# Altium PCB JS.Y1813.MCU.V1.0.PcbDoc (part 1 of 2)
Units mm, origin at the board's own origin, x right, y up, seen from the top; angles counter-clockwise.
Board outline 125 x 78 mm, 2 copper layers (Top Layer, Bottom Layer); 192 components, 124 nets, 655 pads, 279 vias.
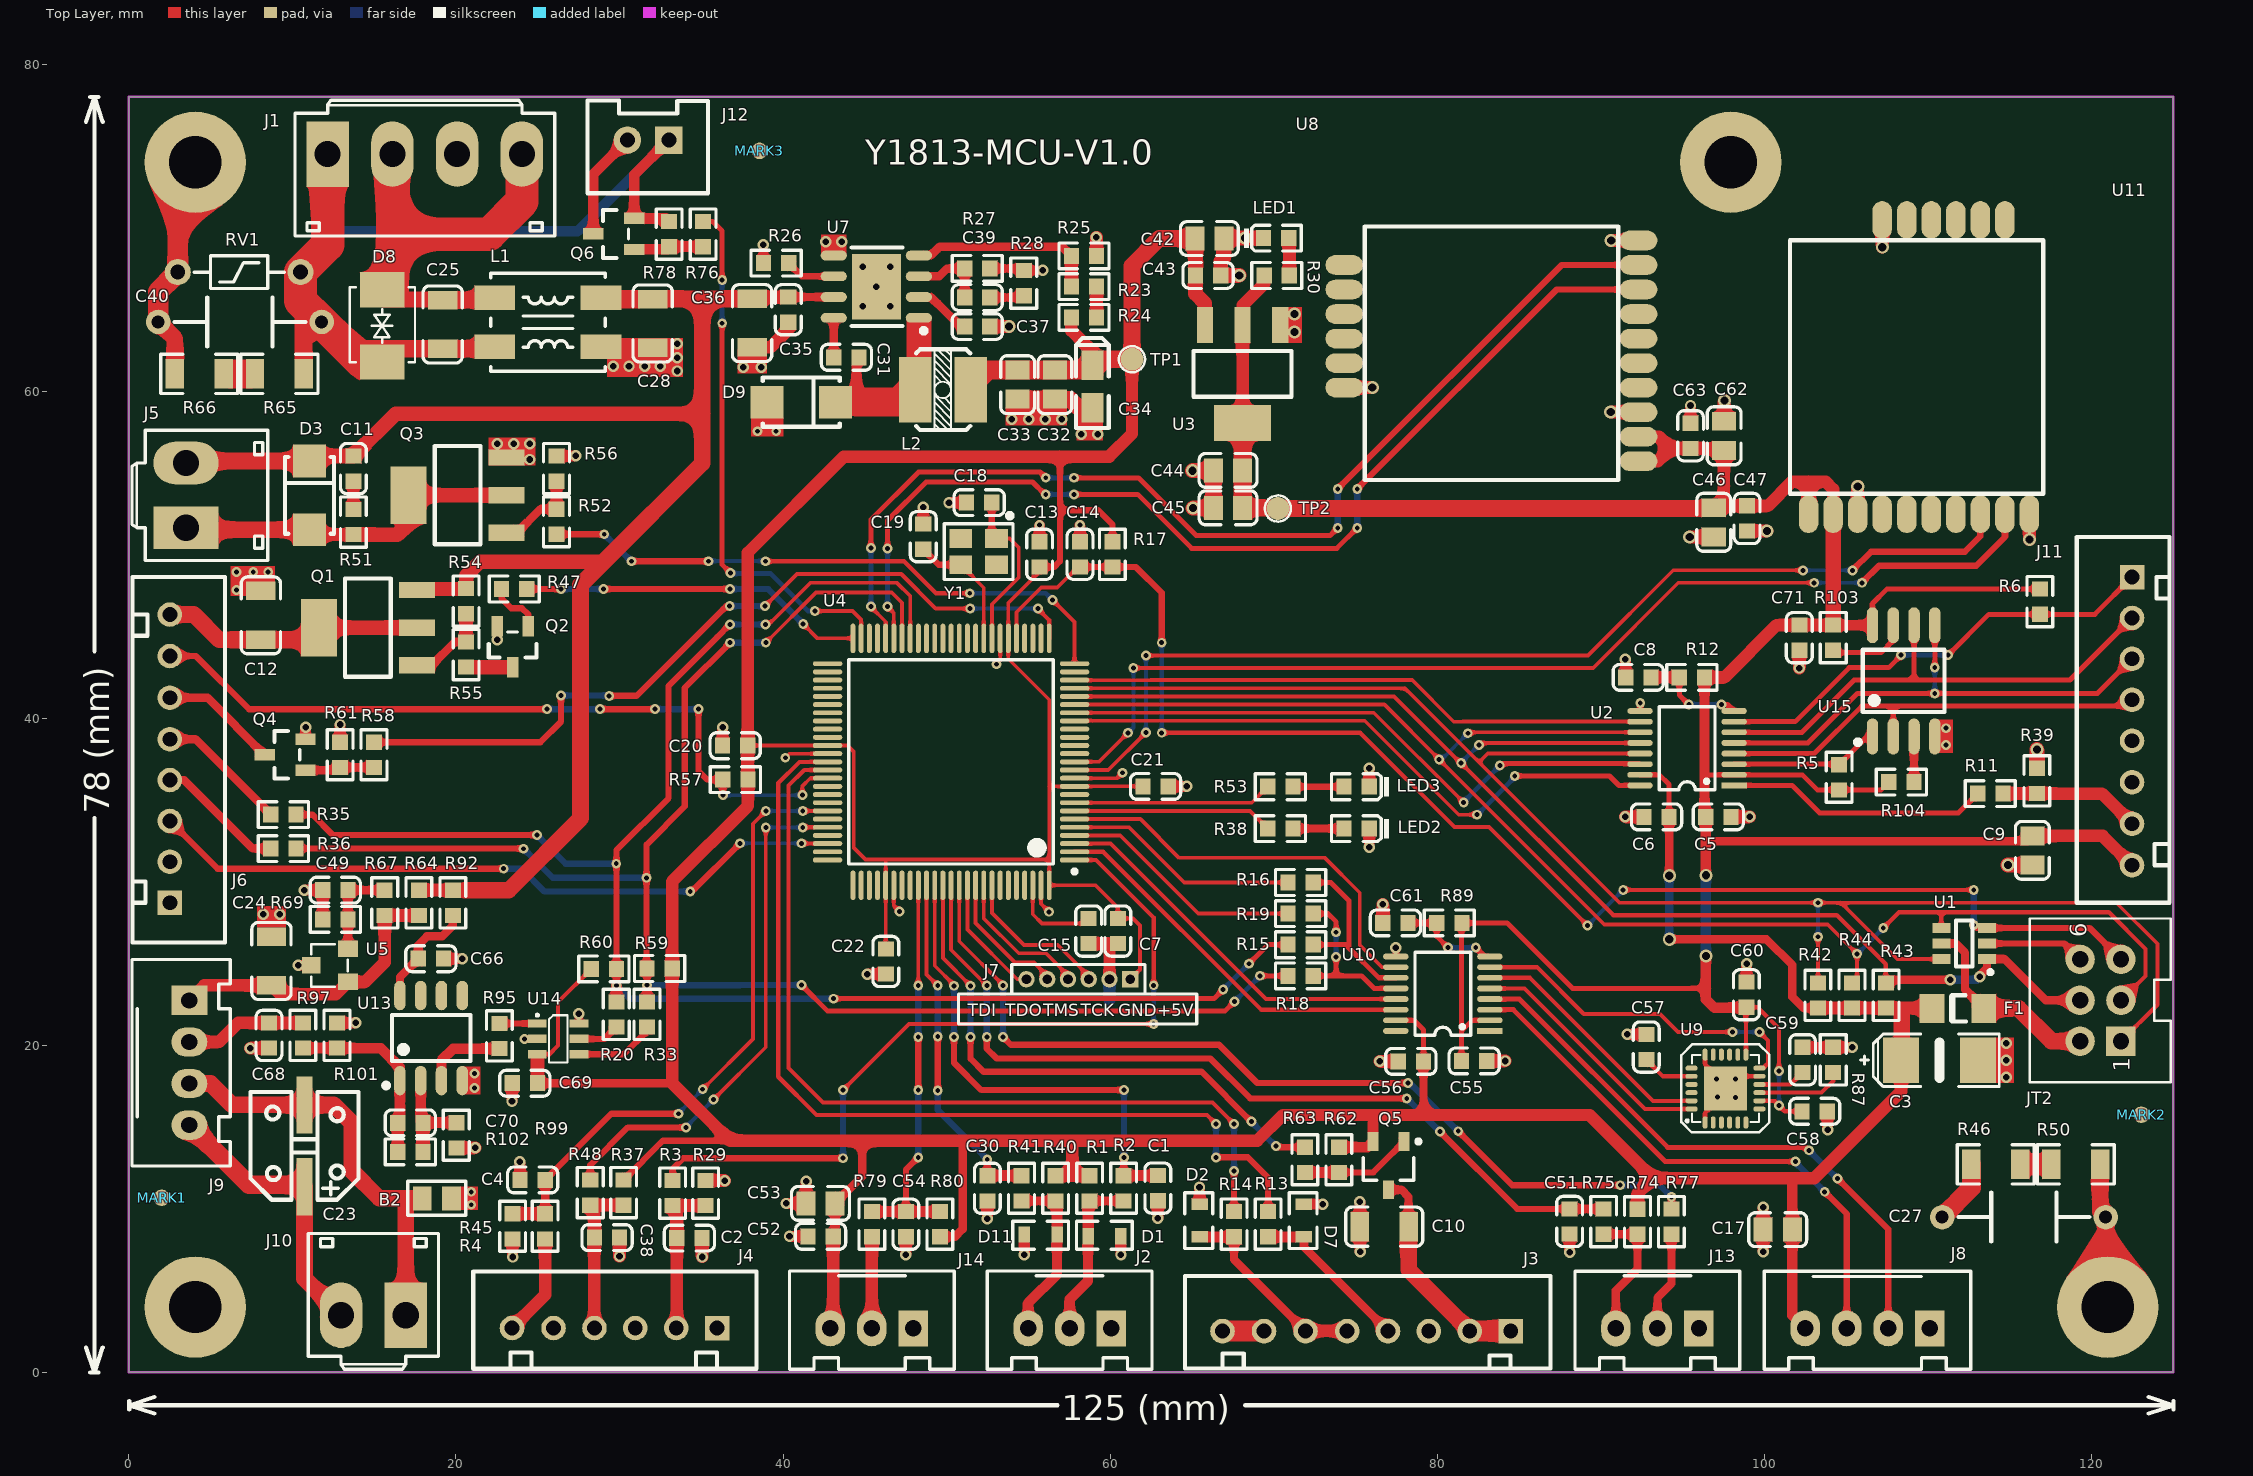
[diagram p0: Top Layer view]
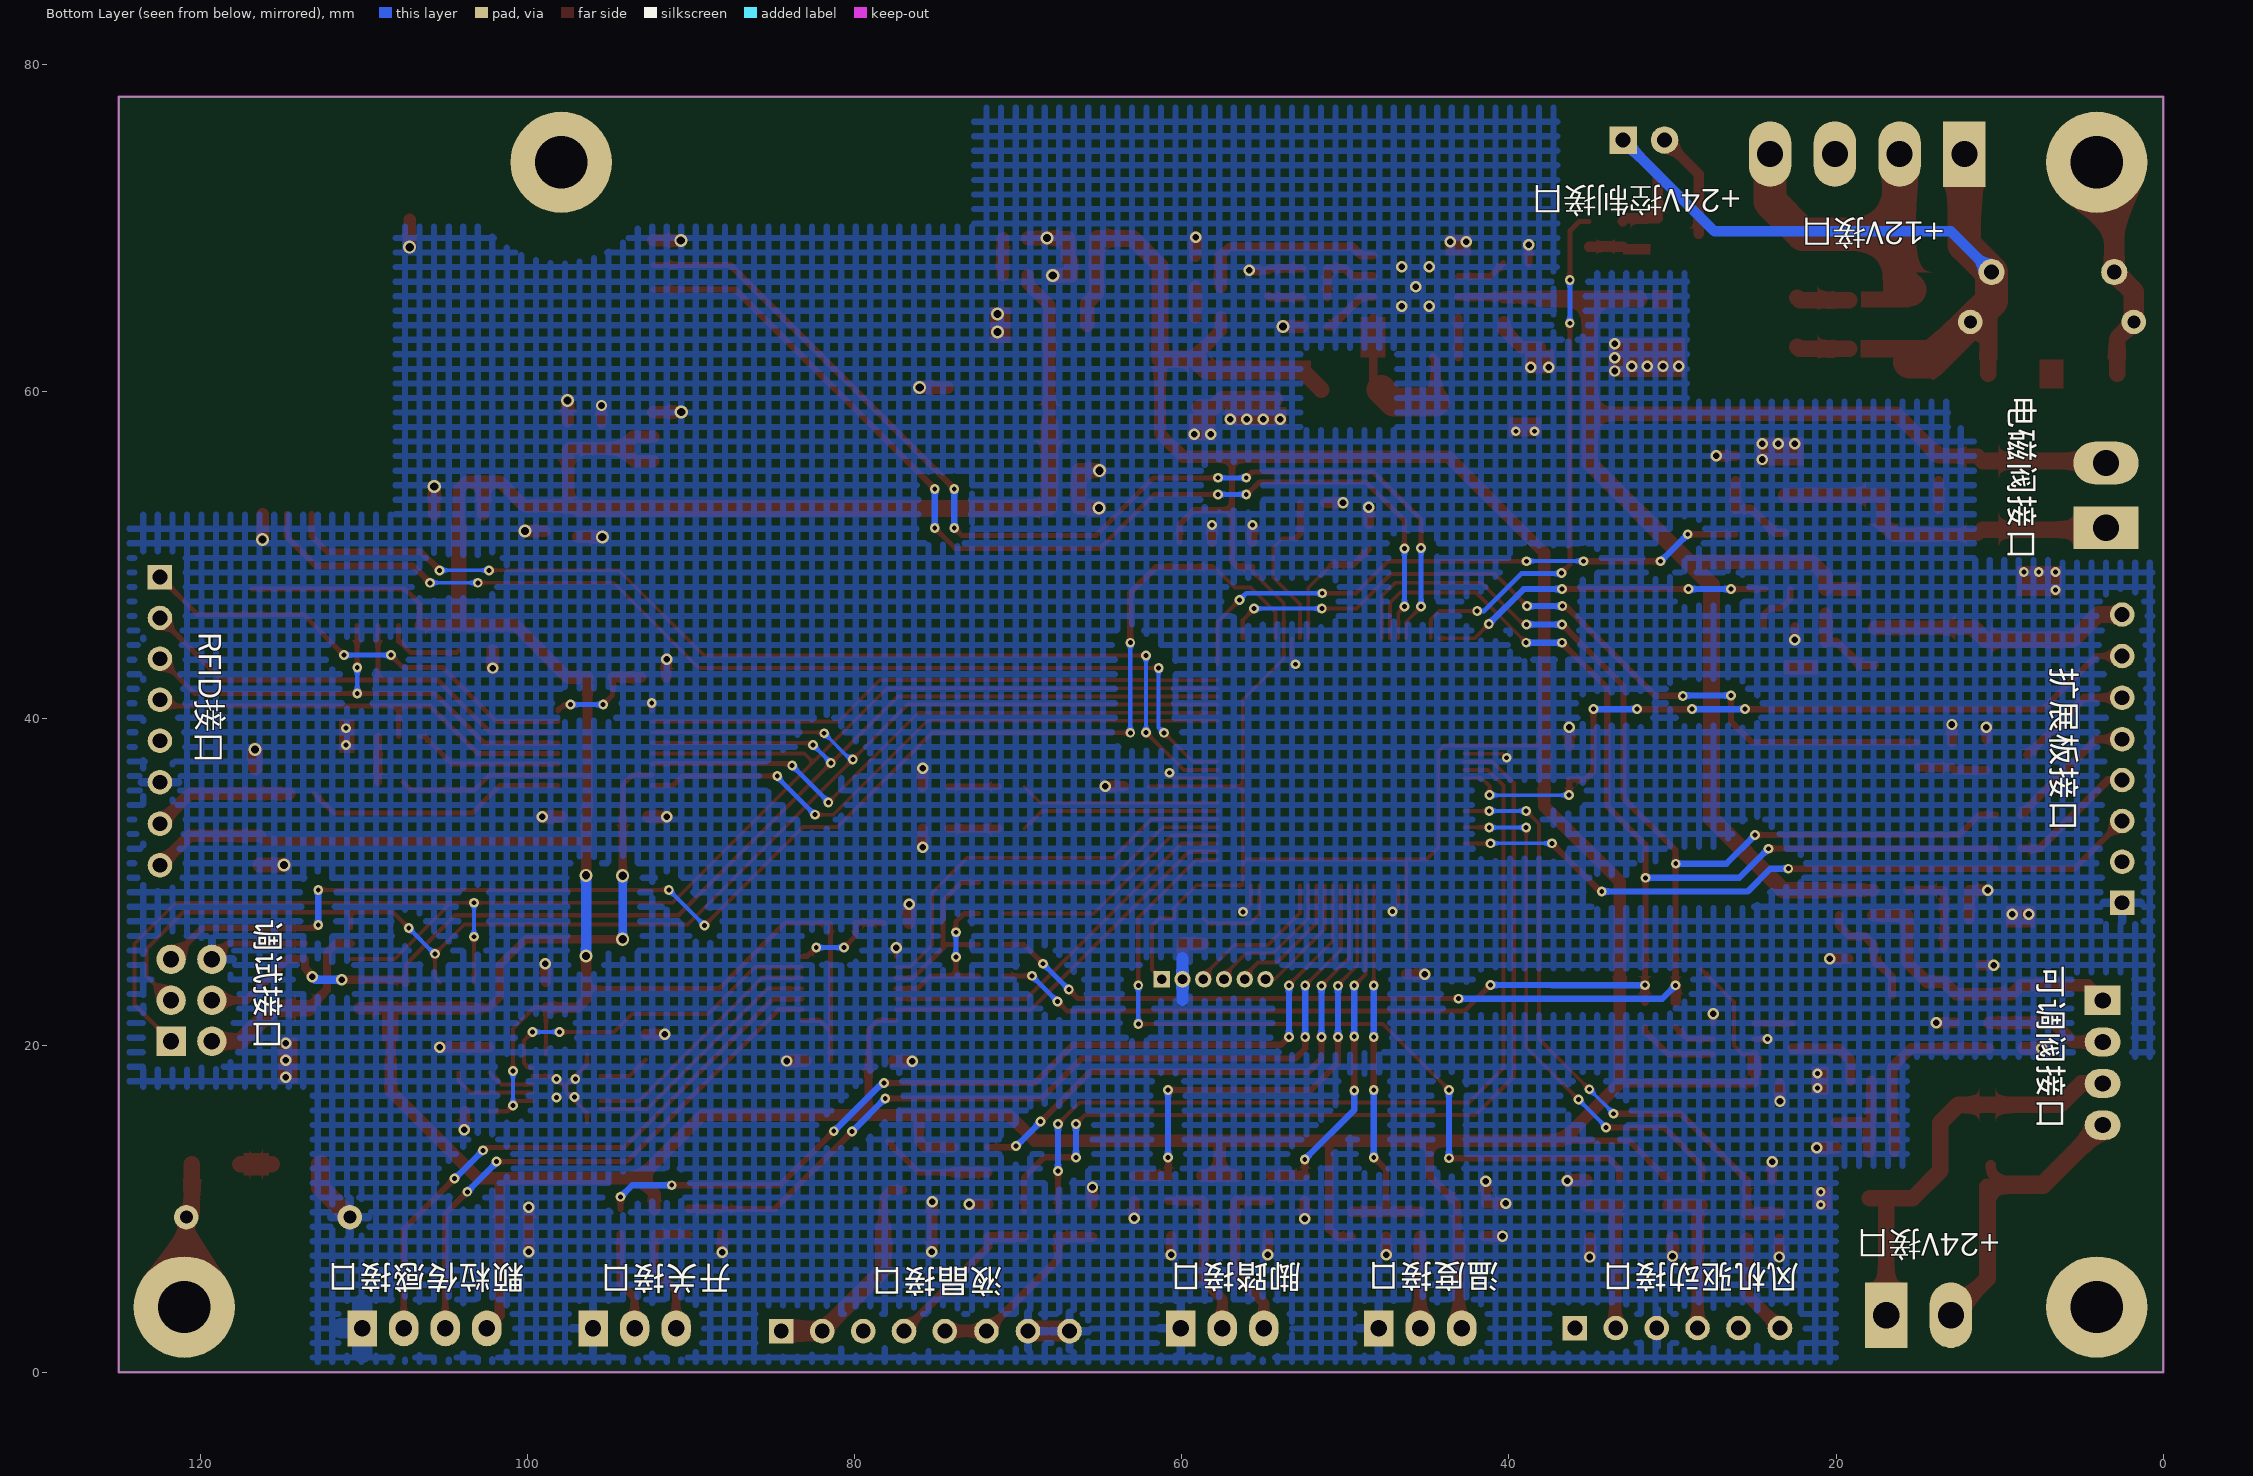
[diagram p1: Bottom Layer view, seen from below]
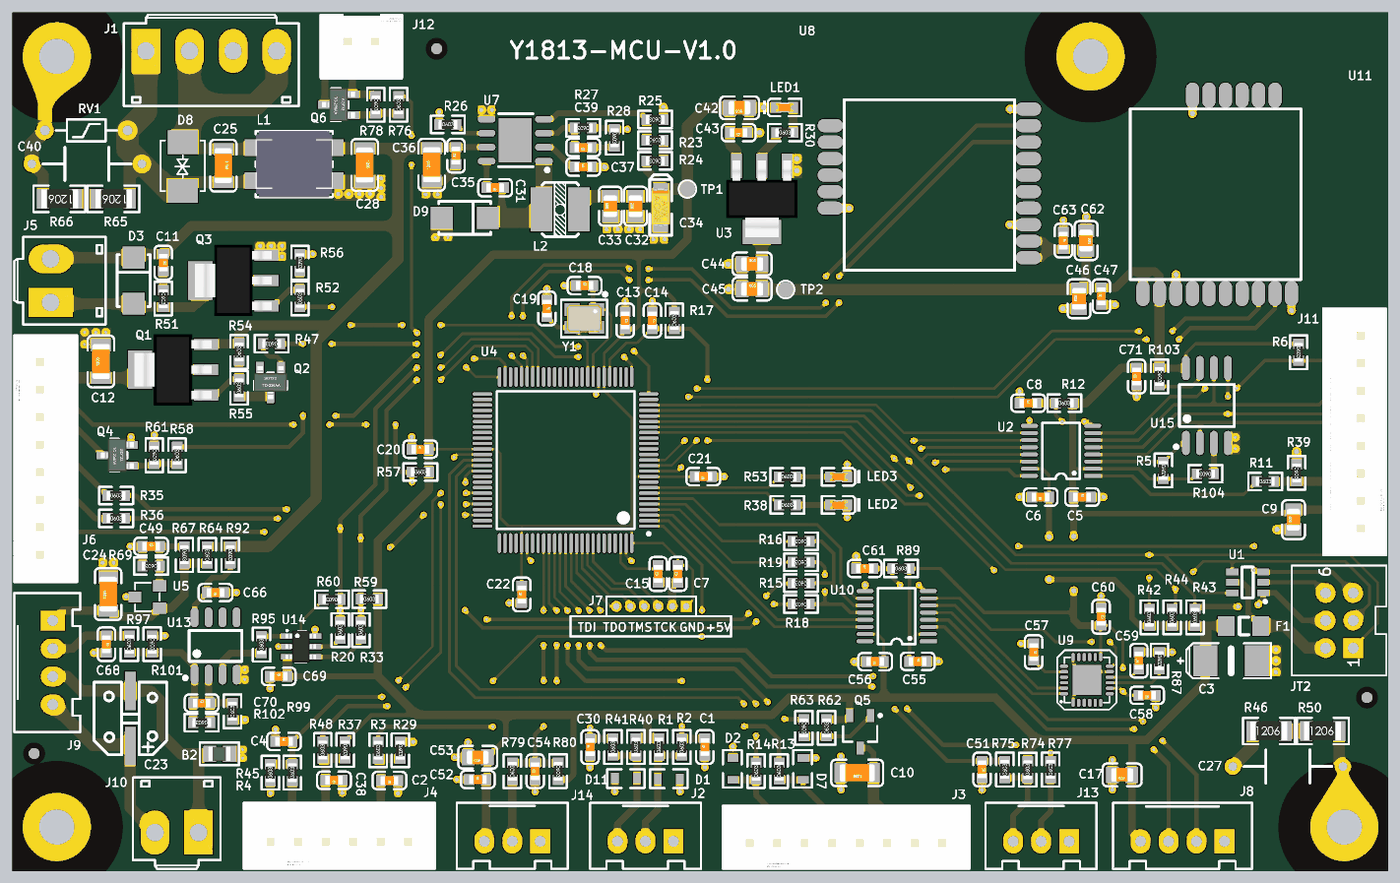
[diagram p3: 3D render of the assembled board from above, using the file's embedded part models]

## Layer stack, top to bottom
Top Solder: solder mask 0.0102, Solder Resist, Dk 3.5
Top Layer: signal copper 0.0356
Dielectric 1: dielectric 0.32, FR-4, Dk 4.8
Bottom Layer: signal copper 0.0356
Bottom Solder: solder mask 0.0102, Solder Resist, Dk 3.5

## Board outline
0,0 125,0 125,78 0,78

## Design rules (kind name [scope] priority, off if disabled: settings)
Clearance Clearance_PWRGND-GND [InNet('PWR_GND') vs InNet('GND')] p1: gap=1.524
Clearance Clearance_Polygon-RelayNull [InPolygon vs InPadClass('RelayNullPad')] p2: gap=1.5
Clearance Clearance_Keepout-Polygon [InPolygon vs OnLayer('Keep-Out Layer')] p3: gap=0.381
Clearance Clearance_Free0-Polygon [InPolygon vs InPadClass('FreePad')] p4: gap=2.9
Clearance Clearance_12V-GND [InNetClass('BOARD_12V') vs InPolygon] p5: gap=1.143
Clearance Clearance_PEGND-ALL [InPolygon vs InNetClass('PEGND')] p6: gap=2.5
Clearance Clearance_Polygon-all [All vs InPolygon] p7: gap=0.635
Clearance Via-All [All vs IsVia] p8: gap=0.305
Clearance [All] p9: gap=0.178
HoleSize [All] p1: absolutevalues=TRUE maxlimit=3.302 minlimit=0.025 maxpercent=80.000 minpercent=20.000
MinimumSolderMaskSliver [All] p1: minsoldermaskwidth=0
PolygonConnect PolygonConnect__bigpad [All vs InPadClass('bigpad')] p1: connectstyle=Relief reliefconductorwidth=1.27 reliefentries=4 polygonreliefangle="90 Angle" airgapwidth=0.381
PolygonConnect PolygonConnect_via [All vs IsVia] p2: connectstyle=Direct reliefconductorwidth=0.254 reliefentries=4 polygonreliefangle="90 Angle" airgapwidth=0.254
PolygonConnect [All] p3: connectstyle=Relief reliefconductorwidth=0.508 reliefentries=4 polygonreliefangle="90 Angle" airgapwidth=0.381
RoutingVias [All] p1: holewidth=0.4 width=0.7 viastyle="Through Hole" minholewidth=0.3 minwidth=0.6 maxholewidth=0.5 maxwidth=0.8
SilkToBoardRegionClearance [All] p1 off:
SilkToSilkClearance [All] p1: silktosilkclearance=0.152
SilkToSolderMaskClearance [IsPad] p1: minsilkscreentomaskgap=0 clearancetoexposedcopper=TRUE
SolderMaskExpansion [All] p1: expansion=0.102
Width [All] p1: maxlimit=2.54 minlimit=0.152 preferedwidth=0.381
25 further rules are at their usual default settings.

## Classes and differential pairs
component class MCU_TOPA: MARK1 MARK2 MARK3
pad class bigpad: J1-1 J1-3 J8-1 J9-1
pad class FreePad: Free-0
component class U_MCU_MISCELLANEOUS: C17 C46 C47 C55 C56 C57 C58 C59 C60 C61 C62 C63 C66 C68 C69 C70 J8 R87 R89 R92 R95 R97 R99 R101 R102 U8 U9 U10 U11 U13 U14
component class U_MCU-PWRA: C25 C27 C28 C31 C32 C33 C34 C35 C36 C37 C39 C40 C42 C43 C44 C45 D8 D9 J1 L1 L2 LED1 R23 R24 R25 R26 R27 R28 R30 R46 R50 R65 R66 RV1 TP1 TP2 U3 U7
component class U_MCU-CTRLA: C7 C13 C14 C15 C18 C19 C20 C21 C22 J7 LED2 LED3 R15 R16 R17 R18 R19 R20 R33 R35 R36 R38 R53 R59 R60 U4 Y1
component class U_MCU_CONNECTA: B2 C1 C2 C3 C4 C5 C6 C8 C9 C10 C11 C12 C23 C24 C30 C38 C49 C51 C52 C53 C54 C71 D1 D2 D3 D7 D11 F1 J2 J3 J4 J5 J6 J9 J10 J11 J12 J13 J14 JT2 Q1 Q2 Q3 Q4 Q5 Q6 R1 R2 R3 R4 R5 R6 R11 R12 R13 R14 R29 R37 R39 R40 R41 R42 R43 R44 R45 R47 R48 R51 R52 R54 R55 R56 R57 R58 R61 R62 R63 R64 R67 R69 R74 R75 R76 R77 R78 R79 R80 R103 R104 U1 U2 U5 U15

## Components (designator, comment, footprint, x,y, rotation, side; value= is the part's Value field where it differs from the comment)
B2 "60R" LC-0805_L 18.828,10.652 r0 top
C1 "150pF (151) 10% 50V" LC-0603_C 62.914,11.274 r90 top
C2 "150pF (151) 10% 50V" LC-0603_C 34.273,8.22 r180 top
C3 "100uF/16V" RCCT-6032C 108.363,19.098 r0 top
C4 "150pF (151) 10% 50V" LC-0603_C 24.687,11.774 r0 top
C5 "100nF (104) 10% 50V" LC-0603_C 97.187,33.976 r0 top
C6 "100nF (104) 10% 50V" LC-0603_C 93.409,33.976 r180 top
C7 "100nF (104) 10% 50V" LC-0603_C 60.468,26.992 r90 top
C8 "100nF (104) 10% 50V" LC-0603_C 92.293,42.507 r0 top
C9 "22uF (226) 20% 25V" LC-0805_C 116.389,31.921 r90 top
C10 "10uF (106) 10% 50V" LC-1206_C 76.758,8.915 r180 top
C11 "150pF (151) 10% 50V" LC-0603_C 13.726,55.27 r270 top
C12 "10uF (106) 10% 50V" LC-1206_C 8.068,46.296 r90 top
C13 "100nF (104) 10% 50V" LC-0603_C 55.683,50.023 r270 top
C14 "100nF (104) 10% 50V" LC-0603_C 58.158,50.023 r270 top
C15 "100nF (104) 10% 50V" LC-0603_C 58.682,26.992 r90 top
C17 "22uF (226) 20% 25V" LC-0805_C 100.82,8.736 r180 top
C18 "15pF (150) 5% 50V" LC-0603_C 51.992,53.184 r0 top
C19 "15pF (150) 5% 50V" LC-0603_C 48.571,51.109 r270 top
C20 "100nF (104) 10% 50V" LC-0603_C 37.07,38.325 r0 top
C21 "100nF (104) 10% 50V" LC-0603_C 62.776,35.836 r180 top
C22 "100nF (104) 10% 50V" LC-0603_C 46.285,25.132 r90 top
C23 "47uF 20% 50V" RCC-AL-EC-6.3*7.7-TH 10.735,13.858 r180 top
C24 "10uF (106) 10% 50V" LC-1206_C 8.719,25.161 r90 top
C25 "10uF (106) 10% 50V" LC-1206_C 19.186,64.082 r270 top
C27 "220pF" RCC-DE1B3-ANGUI 115.871,9.5 r0 top
C28 "10uF (106) 10% 50V" LC-1206_C 32.026,64.145 r270 top
C30 "150pF (151) 10% 50V" LC-0603_C 52.491,11.264 r90 top
C31 "100nF (104) 10% 50V" LC-0603_C 43.872,62.074 r180 top
C32 "22uF (226) 20% 25V" LC-0805_C 56.623,60.402 r90 top
C33 "22uF (226) 20% 25V" LC-0805_C 54.337,60.401 r90 top
C34 "10uF (106) ±10% 16V" LC-CASE-A_3216 58.909,60.29 r90 top
C35 "100nF (104) 10% 50V" LC-0603_C 40.316,64.987 r90 top
C36 "10uF (106) 10% 50V" LC-1206_C 38.107,64.166 r90 top
C37 "100nF (104) 10% 50V" LC-0603_C 51.873,63.954 r0 top
C38 "150pF (151) 10% 50V" LC-0603_C 29.235,8.246 r180 top
C39 "150pF (151) 10% 50V" LC-0603_C 51.873,65.732 r180 top
C40 "220pF" RCC-DE1B3-ANGUI 6.788,64.237 r0 top
C42 "22uF (226) 20% 25V" LC-0805_C 66.066,69.339 r180 top
C43 "100nF (104) 10% 50V" LC-0603_C 65.988,67.078 r180 top
C44 "22uF (226) 20% 25V" LC-0805_C 67.207,55.155 r0 top
C45 "22uF (226) 20% 25V" LC-0805_C 67.208,52.869 r0 top
C46 "22uF (226) 20% 25V" LC-0805_C 96.908,51.986 r90 top
C47 "100nF (104) 10% 50V" LC-0603_C 98.94,52.222 r90 top
C49 "NC" LC-0603_C 12.622,29.495 r0 top
C51 "150pF (151) 10% 50V" LC-0603_C 88.094,9.234 r270 top
C52 "100nF (104) 10% 50V" LC-0603_C 42.296,8.324 r0 top
C53 "22uF (226) 20% 25V" LC-0805_C 42.289,10.338 r180 top
C54 "150pF (151) 10% 50V" LC-0603_C 47.509,9.069 r90 top
C55 "100nF (104) 10% 50V" LC-0603_C 82.256,19.05 r0 top
C56 "100nF (104) 10% 50V" LC-0603_C 78.389,19.025 r180 top
C57 "2.2nF (222) 10% 50V" LC-0603_C 92.782,19.901 r270 top
C58 "100nF (104) 10% 50V" LC-0603_C 103.082,15.972 r180 top
C59 "100nF (104) 10% 50V" LC-0603_C 102.337,19.118 r90 top
C60 "100nF (104) 10% 50V" LC-0603_C 98.903,23.104 r270 top
C61 "100nF (104) 10% 50V" LC-0603_C 77.443,27.489 r0 top
C62 "22uF (226) 20% 25V" LC-0805_C 97.545,57.275 r270 top
C63 "100nF (104) 10% 50V" LC-0603_C 95.488,57.274 r270 top
C66 "100nF (104) 10% 50V" LC-0603_C 18.466,25.3 r180 top
C68 "150pF (151) 10% 50V" LC-0603_C 8.566,20.607 r270 top
C69 "100nF (104) 10% 50V" LC-0603_C 24.208,17.688 r0 top
C70 "150pF (151) 10% 50V" LC-0603_C 17.208,15.261 r0 top
C71 "100nF (104) 10% 50V" LC-0603_C 102.139,44.929 r90 top
D1 "PESD5V0L1BA" RCD-SOD323-N 58.649,8.339 r0 top
D2 "PESD5V0L1BA" RCD-SOD323-N 65.468,8.287 r90 top
D3 "US1M" LC-SMA(DO-214AC)_S1 11.04,53.637 r270 top
D7 "PESD5V0L1BA" RCD-SOD323-N 71.843,8.287 r90 top
D8 "SMBJ18CA" RCD-DO-214AAC-D 15.495,63.992 r90 top
D9 "SS310" LC-SMA(DO-214AC)_S1 41.112,59.331 r180 top
D11 "PESD5V0L1BA" RCD-SOD323-N 56.752,8.439 r180 top
F1 "1206L110TH" RCF1206TH 113.415,22.266 r0 top
J1 "PWR_INTERFACE" RCJ3.96-4CA 12.153,74.498 r180 top
J2 "FootSwitch_Interface" RCJ2.5-3CA 60.064,2.702 r0 top
J3 "LCD_INTERFACE" RCJ-XH2.54-8P 75.679,2.531 r180 top
J4 "MOT_INTERFACE" RCJ-XH2.54-6P 29.696,2.718 r180 top
J5 "SWVALUE1_Interface" RCJ3.96-2CA 3.494,51.651 r270 top
J6 "SUB_INTERFACE" RCJ-XH2.54-8P 2.507,37.536 r90 top
J7 "DEBUGB_Interface" MHDR1X6 61.23,24.046 r180 top
J8 "PM_Interface" RCJ2.5-4CA 110.117,2.698 r0 top
J9 "PVALUE_INTERFACE" RCJ2.5-4CA 3.694,22.749 r90 top
J10 "PWR24V_Interface" RCJ3.96-2CA 16.932,3.5 r0 top
J11 "RFID_INTERFACE" RCJ-XH2.54-8P 122.485,39.826 r270 top
J12 "PWR24V_CTRL_Interface" RCJ-XH2.54-2P 31.75,75.358 r0 top
J13 "PWRSW_Interface" RCJ2.5-3CA 96.002,2.696 r0 top
J14 "TempSense_Interface" RCJ2.5-3CA 47.967,2.702 r0 top
JT2 "SWD_PORT_2.54*3*2" RCJ2.5-2X3CA 120.557,22.759 r90 top
L1 "ACM7060" ACM7060 25.62,64.219 r0 top
L2 "15uH/2A/20%" RCL-040402-2TH 48.076,60.1 r180 top
LED1 "PWR_LED" LC-0603_LED_S1 70.154,69.364 r0 top
LED2 "STATEA_LED" LC-0603_LED_S1 75.072,33.258 r180 top
LED3 "STATEB_LED" LC-0603_LED_S1 75.072,35.817 r180 top
MARK1 "MARK" RCTOOL_MARK 1.997,10.681 r90 top
MARK2 "MARK" RCTOOL_MARK 123.06,15.761 r90 top
MARK3 "MARK" RCTOOL_MARK 38.557,74.698 r90 top
Q1 "UT9435HG-AA3-R" LC-SOT-223 14.613,45.542 r0 top
Q2 "MMBT3904" LC-SOT-23(SOT-23-3) 23.468,44.374 r90 top
Q3 "STN3NF06L" LC-SOT-223 20.098,53.645 r0 top
Q4 "MMBT3904" LC-SOT-23(SOT-23-3) 9.549,37.771 r0 top
Q5 "AO3401A" LC-SOT-23-3L 77.02,12.651 r90 top
Q6 "MMBT3904" LC-SOT-23(SOT-23-3) 29.645,69.617 r0 top
R1 "10KΩ (1002) ±1%" LC-0603_R 58.744,11.264 r90 top
R2 "1KΩ (1001) ±1%" LC-0603_R 60.827,11.264 r90 top
R3 "33Ω (33R0) ±1%" LC-0603_R 33.249,10.973 r90 top
R4 "33Ω (33R0) ±1%" LC-0603_R 25.451,8.941 r90 top
R5 "4.7KΩ (4701) ±1%" LC-0603_R 104.569,36.395 r270 top
R6 "4.7KΩ (4701) ±1%" LC-0603_R 116.845,47.131 r270 top
R11 "33Ω (33R0) ±1%" LC-0603_R 113.816,35.393 r0 top
R12 "4.7KΩ (4701) ±1%" LC-0603_R 95.569,42.507 r0 top
R13 "33Ω (33R0) ±1%" LC-0603_R 69.659,9.076 r90 top
R14 "33Ω (33R0) ±1%" LC-0603_R 67.576,9.076 r90 top
R15 "33Ω (33R0) ±1%" LC-0603_R 71.652,26.156 r180 top
R16 "33Ω (33R0) ±1%" LC-0603_R 71.652,29.961 r180 top
R17 "10KΩ (1002) ±1%" LC-0603_R 60.139,50.023 r90 top
R18 "33Ω (33R0) ±1%" LC-0603_R 71.652,24.254 r180 top
R19 "33Ω (33R0) ±1%" LC-0603_R 71.652,28.058 r180 top
R20 "33Ω (33R0) ±1%" LC-0603_R 29.801,21.891 r90 top
R23 "200KΩ (2003) ±1%" LC-0603_R 58.401,66.397 r0 top
R24 "10KΩ (1002) ±1%" LC-0603_R 58.401,64.517 r180 top
R25 "40.2KΩ (4022) ±1%" LC-0603_R 58.401,68.276 r180 top
R26 "200KΩ (2003) ±1%" LC-0603_R 39.571,67.832 r0 top
R27 "NC" LC-0603_R 51.873,67.51 r180 top
R28 "100KΩ (1003) ±1%" LC-0603_R 54.718,66.613 r270 top
R29 "200KΩ (2003) ±1%" LC-0603_R 35.265,10.973 r270 top
R30 "1KΩ (1001) ±1%" LC-0603_R 70.187,67.078 r0 top
R33 "33Ω (33R0) ±1%" LC-0603_R 31.68,21.891 r90 top
R35 "33Ω (33R0) ±1%" LC-0603_R 9.449,34.109 r0 top
R36 "33Ω (33R0) ±1%" LC-0603_R 9.449,32.034 r0 top
R37 "10KΩ (1002) ±1%" LC-0603_R 30.251,10.998 r270 top
R38 "1KΩ (1001) ±1%" LC-0603_R 70.407,33.258 r0 top
R39 "10KΩ (1002) ±1%" LC-0603_R 116.669,36.171 r270 top
R40 "10KΩ (1002) ±1%" LC-0603_R 56.661,11.264 r90 top
R41 "1KΩ (1001) ±1%" LC-0603_R 54.578,11.264 r90 top
R42 "4.7KΩ (4701) ±1%" LC-0603_R 103.28,23.053 r90 top
R43 "4.7KΩ (4701) ±1%" LC-0603_R 107.445,23.053 r90 top
R44 "4.7KΩ (4701) ±1%" LC-0603_R 105.362,23.053 r90 top
R45 "200KΩ (2003) ±1%" LC-0603_R 23.46,8.941 r90 top
R46 "1.2MΩ (1204) ±1%" LC-1206_R 114.153,12.725 r0 top
R47 "3.3KΩ (3301) ±1%" LC-0603_R 23.562,47.905 r180 top
R48 "33Ω (33R0) ±1%" LC-0603_R 28.21,10.998 r90 top
R50 "1.2MΩ (1204) ±1%" LC-1206_R 119.046,12.725 r0 top
R51 "200KΩ (2003) ±1%" LC-0603_R 13.726,52.002 r270 top
R52 "10Ω (10R0) ±1%" LC-0603_R 26.147,52.019 r90 top
R53 "1KΩ (1001) ±1%" LC-0603_R 70.407,35.817 r0 top
R54 "47KΩ (4702) ±1%" LC-0603_R 20.617,47.16 r90 top
R55 "33KΩ (3302) ±1%" LC-0603_R 20.617,43.899 r90 top
R56 "NC" LC-0603_R 26.147,55.27 r270 top
R57 "4.7KΩ (4701) ±1%" LC-0603_R 37.081,36.25 r0 top
R58 "3.3KΩ (3301) ±1%" LC-0603_R 14.986,37.771 r90 top
R59 "4.7KΩ (4701) ±1%" LC-0603_R 32.45,24.703 r0 top
R60 "4.7KΩ (4701) ±1%" LC-0603_R 29.039,24.677 r180 top
R61 "47KΩ (4702) ±1%" LC-0603_R 12.911,37.771 r270 top
R62 "NC" LC-0603_R 73.984,13.006 r90 top
R63 "10Ω (10R0) ±1%" LC-0603_R 71.909,13.006 r270 top
R64 "100Ω (1000) ±1%" LC-0603_R 17.728,28.719 r90 top
R65 "1.2MΩ (1204) ±1%" LC-1206_R 9.201,61.062 r180 top
R66 "1.2MΩ (1204) ±1%" LC-1206_R 4.299,61.062 r180 top
R67 "300KΩ (3003) ±1%" LC-0603_R 15.642,28.719 r270 top
R69 "100KΩ (1003) ±1%" LC-0603_R 12.622,27.709 r180 top